# Altium PCB Ultrasound.PcbDoc
Units mil, origin at the board's own origin, x right, y up, seen from the top; angles counter-clockwise.
Board outline 1574.8 x 1574.8 mil, 2 copper layers (Top Layer, Bottom Layer); 59 components, 50 nets, 268 pads, 116 vias.
Unrouted connection lines stored in the file: 29.
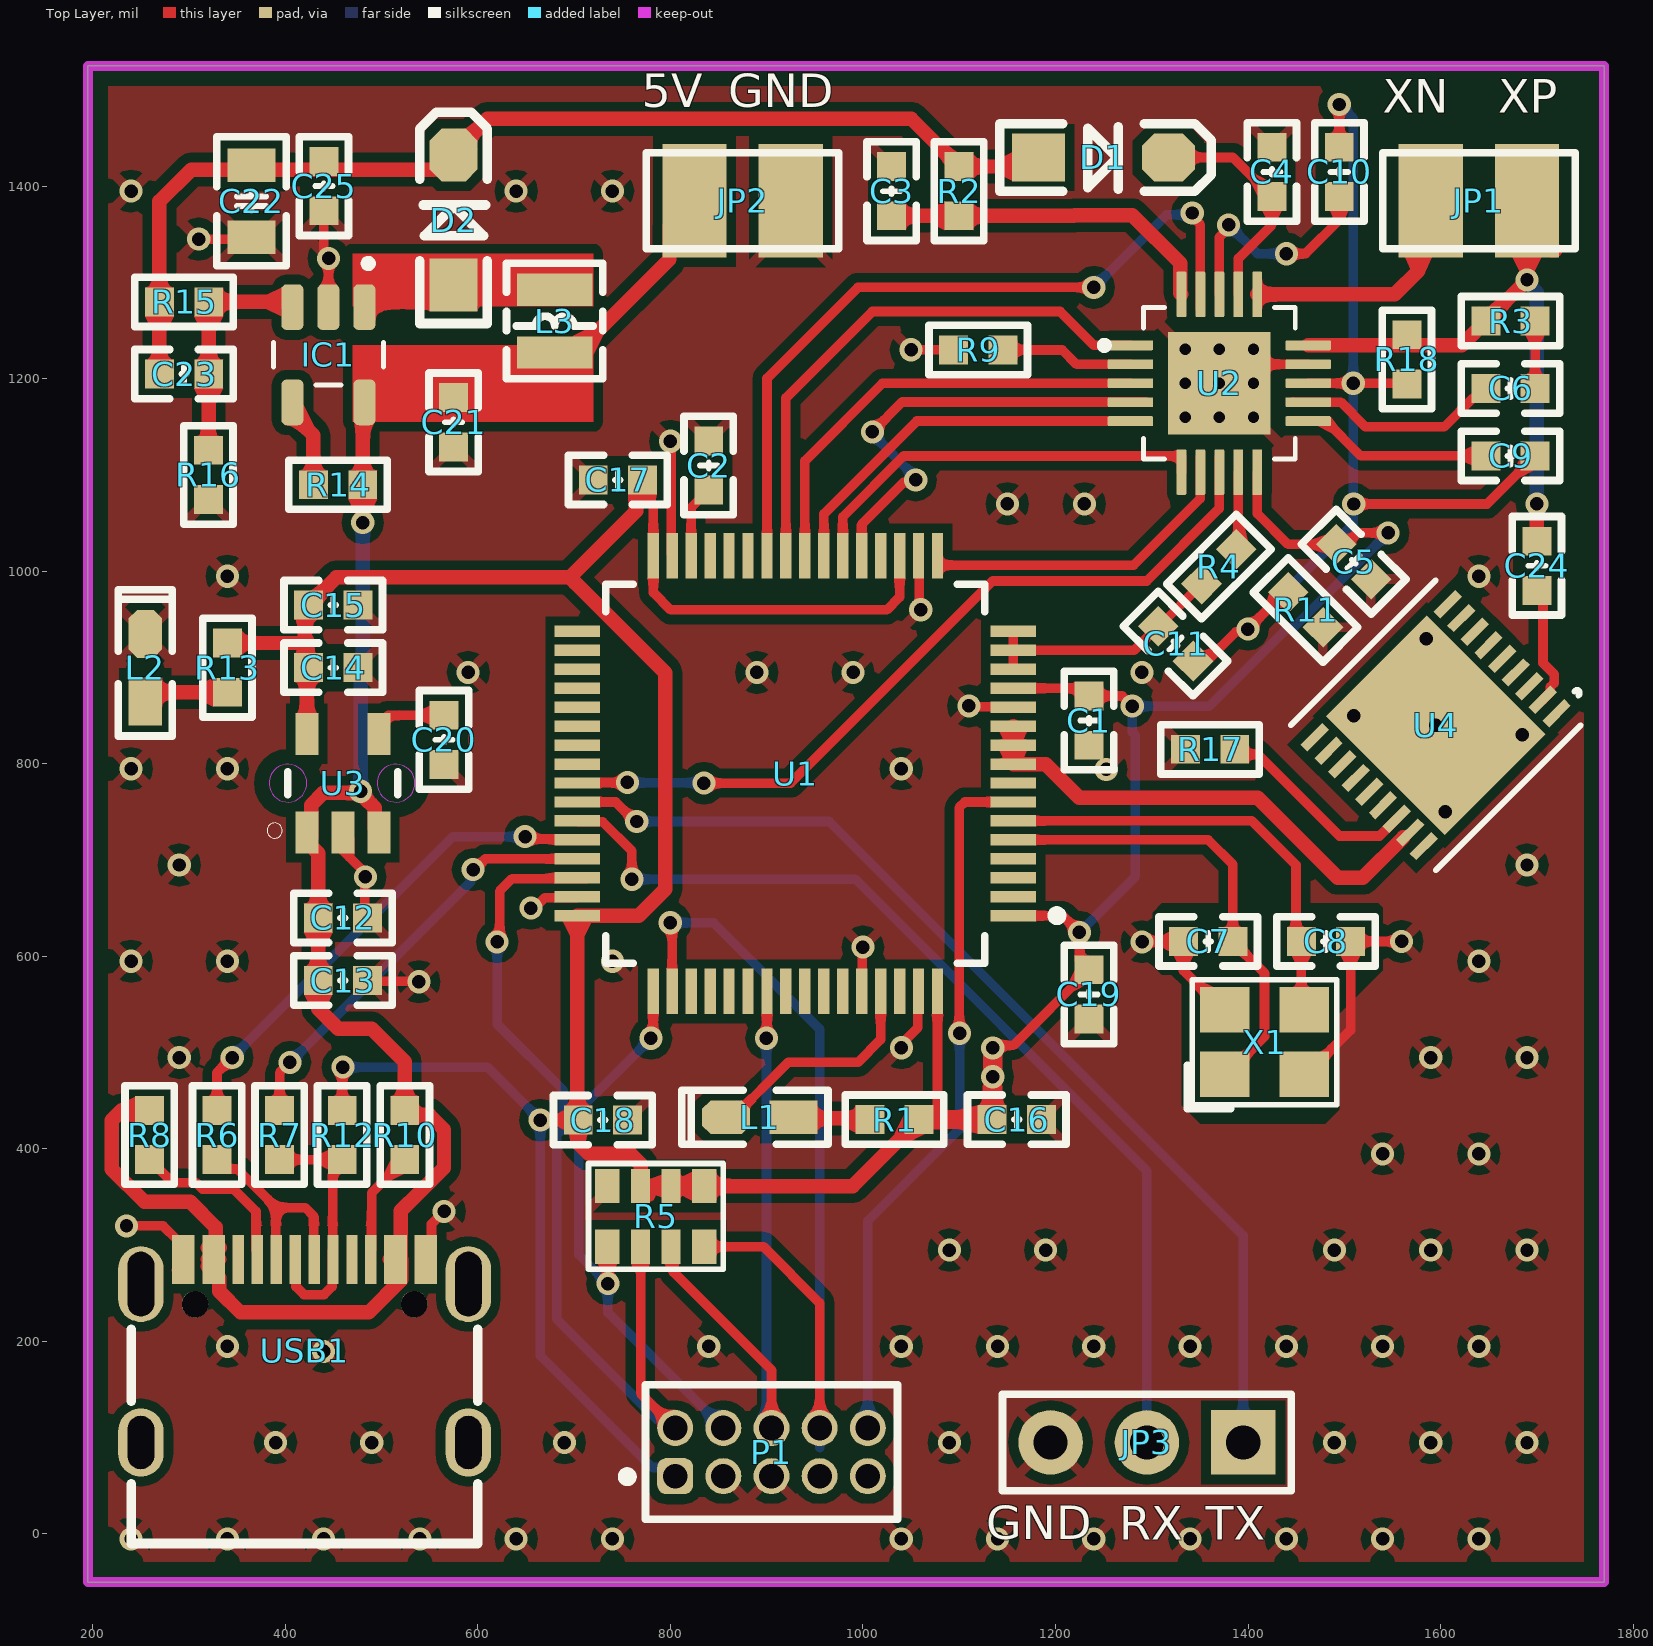
[diagram p0: Top Layer view]
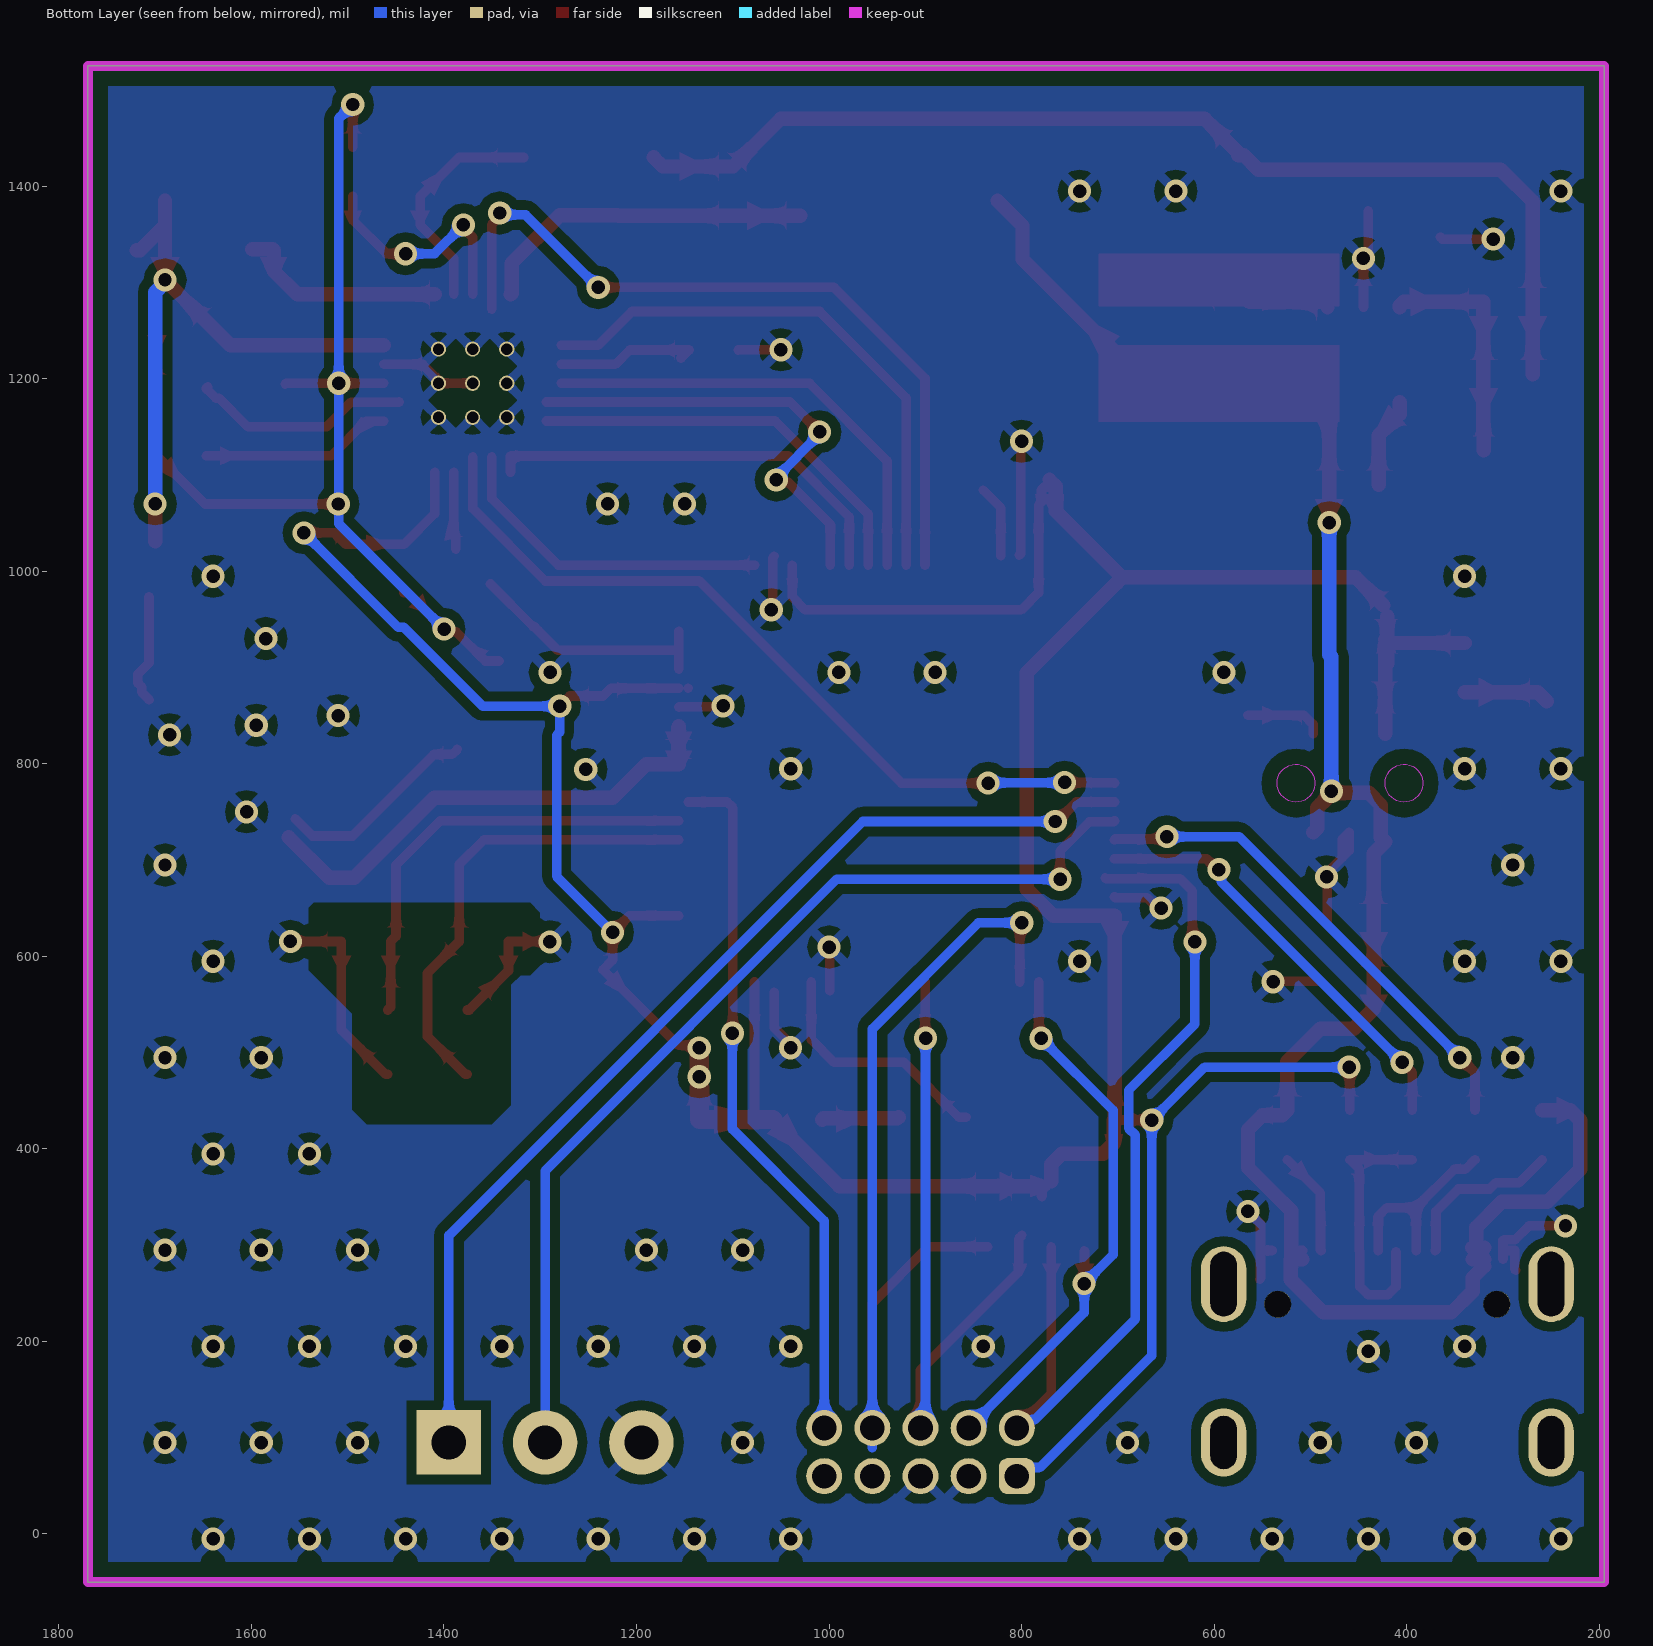
[diagram p1: Bottom Layer view, seen from below]

## Layer stack, top to bottom
Top Solder: solder mask 0.4, Solder Resist, Dk 3.5
Top Layer: signal copper 1.4
Dielectric 1: dielectric 12.6, FR-4, Dk 4.8
Bottom Layer: signal copper 1.4
Bottom Solder: solder mask 0.4, Solder Resist, Dk 3.5

## Board outline
195,-50 195,1524.8 1769.8,1524.8 1769.8,-50

## Design rules (kind name [scope] priority, off if disabled: settings)
Clearance Clearance_1 [InNet('GND') vs OnLayer('Keep-Out Layer')] p1: gap=15.75 ignorepadtopadclearanceinfootprint=FALSE except(0: Arc-Hole Track-Hole SMDPad-Hole THPad-Hole Via-Hole Fill-Hole Poly-Hole Region-Hole Text-Hole)
Clearance [All] p2: gap=6 ignorepadtopadclearanceinfootprint=FALSE except(0: Arc-Hole Track-Hole SMDPad-Hole THPad-Hole Via-Hole Fill-Hole Poly-Hole Region-Hole Text-Hole; 10: Arc-Poly Track-Poly SMDPad-Poly THPad-Poly Via-Poly Fill-Poly Poly-Poly Region-Text)
ComponentClearance [All] p1: gap=6 collisioncheckmode=3 verticalgap=10 showdistances=FALSE
DiffPairsRouting DiffPairsRouting_2 [InDifferentialPair('CAN2')] p1: maxlimit=10 minlimit=8 mostfreqgap=8 toplayer_minwidth=5 toplayer_maxwidth=15 toplayer_prefwidth=5 bottomlayer_minwidth=5 bottomlayer_maxwidth=15 bottomlayer_prefwidth=5 maxuncoupledlength=500
DiffPairsRouting DiffPairsRouting_1 [InDifferentialPair('CAN1')] p2: maxlimit=10 minlimit=8 mostfreqgap=8 toplayer_minwidth=5 toplayer_maxwidth=15 toplayer_prefwidth=5 bottomlayer_minwidth=5 bottomlayer_maxwidth=15 bottomlayer_prefwidth=5 maxuncoupledlength=500
DiffPairsRouting [All] p3: maxlimit=10 minlimit=6 mostfreqgap=6 toplayer_minwidth=8 toplayer_maxwidth=15 toplayer_prefwidth=9 bottomlayer_minwidth=8 bottomlayer_maxwidth=15 bottomlayer_prefwidth=9 maxuncoupledlength=500
MinimumSolderMaskSliver [All] p1 off: minsoldermaskwidth=10
PlaneConnect [All] p1: planeconnectstyle=Direct reliefexpansion=20 reliefentries=4 reliefconductorwidth=10 reliefairgap=10
PolygonConnect [All] p1: connectstyle=Relief reliefconductorwidth=10 reliefentries=4 polygonreliefangle="45 Angle" airgapwidth=10
RoutingVias [All] p1: holewidth=12 width=18 viastyle="Through Hole" minholewidth=12 minwidth=18 maxholewidth=28 maxwidth=50
SilkToSilkClearance [All] p1 off: silktosilkclearance=10
SilkToSolderMaskClearance [IsPad] p1 off: minsilkscreentomaskgap=10 clearancetoexposedcopper=TRUE
SolderMaskExpansion [All] p1: expansion=4 istentingtop=FALSE
SupplyNets "Schematic Supply Nets_5" [InNet('SGND')] p1: voltage=0.000
SupplyNets "Schematic Supply Nets_4" [InNet('3V3')] p2: voltage=0.000
SupplyNets "Schematic Supply Nets_3" [InNet('GND')] p3: voltage=0.000
SupplyNets "Schematic Supply Nets_2" [InNet('5V')] p4: voltage=0.000
SupplyNets "Schematic Supply Nets_1" [InNet('VDRV')] p5: voltage=0.000
SupplyNets "Schematic Supply Nets" [InNet('VPWR')] p6: voltage=0.000
Width [All] p1: maxlimit=100 minlimit=6 preferedwidth=10
24 further rules are at their usual default settings.

## Components (designator, comment, footprint, x,y, rotation, side; value= is the part's Value field where it differs from the comment)
C1 "104" "C 0603_L" 1234.8,844.8 r90 top
C2 "4.7uF" "C 0603_L" 839.8,1109.8 r90 top
C3 "100nF/50V" "C 0603_L" 1029.8,1394.8 r90 top
C4 "2.2uF 50V" "C 0603_L" 1424.8,1414.8 r270 top
C5 "10nF/10V" "C 0603_L" 1509.8,1009.8 r315 top
C6 "330pF/50V" "C 0603_L" 1672.68,1189.8 r180 top
C7 "12pF" "C 0603_L" 1358.63,615.4 r180 top
C8 "12pF" "C 0603_L" 1480.99,615.4 r0 top
C9 "4.7nF" "C 0603_L" 1672.68,1119.8 r180 top
C10 "680pF" "C 0603_L" 1494.8,1414.8 r270 top
C11 "100nF/50V" "C 0603_L" 1324.8,924.8 r315 top
C12 "10uF" "C 0603_L" 459.8,639.8 r180 top
C13 "104" "C 0603_L" 459.8,574.8 r180 top
C14 "10uF" "C 0603_L" 449.8,899.8 r180 top
C15 "104" "C 0603_L" 449.8,964.81 r180 top
C16 "104" "C 0603_L" 1159.8,430.39 r180 top
C17 "104" "C 0603_L" 745.4,1094.81 r0 top
C18 "104" "C 0603_L" 729.8,429.8 r180 top
C19 "102" "C 0603_L" 1234.8,560.4 r90 top
C20 "22nF" "C 0603_L" 564.8,824.8 r90 top
C21 "2.2uF" "C 0603_L" 574.8,1154.8 r90 top
C22 "4.7uF" "C 0805_L" 364.8,1384.25 r270 top
C23 "56pF" "C 0603_L" 294.8,1204.8 r180 top
C24 "10nF" "C 0603_L" 1700,1005.59 r90 top
C25 "104" "C 0603_L" 440,1400 r90 top
D1 "SD103AWS" SOD-123 1249.8,1429.8 r0 top
D2 "MBR0540" SOD-123 574.8,1364.8 r90 top
IC1 "LMR64010XMF/NOPB" SOT95P280X145-5N 444.8,1224.8 r270 top
JP1 "HDR-1X2" HDR2.54-LI-2P 1639.8,1384.8 r180 top
JP2 "HDR-1X2" HDR2.54-LI-2P 875,1384.8 r0 top
JP3 "HDR-1X3" HDR2.54-LI-3P 1295,95 r180 top
L1 "LED" "LED 0603B" 892.81,433.06 r180 top
L2 "LED" "LED 0603B" 254.8,899.8 r90 top
L3 "FTC252012S100MBCA_10uH" NR2520 679.8,1259.8 r90 top
P1 "HDR2X5" 62201021121 905,85 r0 top
R1 "4.7K" "R 0603_L" 1032.8,430.4 r0 top
R2 "10Ω" "R 0603_L" 1099.8,1394.8 r270 top
R3 "200Ω 1/4W" "R 0603_L" 1672.68,1259.8 r0 top
R4 "10Ω" "R 0603_L" 1369.8,1004.8 r225 top
R5 "103" RCA-8P4R-0603 784.8,329.8 r0 top
R6 "22" "R 0603_L" 329.05,414.33 r270 top
R7 "22" "R 0603_L" 394.05,414.33 r270 top
R8 "5.1K" "R 0603_L" 259.05,414.33 r90 top
R9 "0" "R 0603_L" 1119.8,1229.8 r0 top
R10 "5.1K" "R 0603_L" 524.05,414.33 r90 top
R11 "0" "R 0603_L" 1459.8,959.8 r135 top
R12 "1.5K" "R 0603_L" 459.05,414.33 r90 top
R13 "4.7K" "R 0603_L" 339.8,899.8 r90 top
R14 "47K" "R 0603_L" 454.8,1089.8 r180 top
R15 "376K" "R 0603_L" 294.8,1279.8 r0 top
R16 "13.3K" "R 0603_L" 320,1100 r90 top
R17 "NC" "R 0603_L" 1360.59,815 r0 top
R18 "75Ω" "R 0603_L" 1565,1220 r90 top
U1 "STM32F446RBT6" FP-LQFP64-5W-MFG 929.8,789.8 r180 top
U2 "TUSS4470TRTJT" QFN50P400X400X80-21N 1370.24,1195.24 r0 top
U3 "RT9193-33GB" SOT23-5_TEXAS_INSTRUMETNS 459.8,779.8 r90 top
U4 "MD0101K6-G" DFN18_5X5_MCH 1595,840 r225 top
USB1 "KH-TYPE-C-16P" USB-C-SMD_KH-TYPE-C-16P 420,190 r0 top
X1 "25M" "OSC 3225-4P" 1417.17,510.75 r0 top

## Footprints (in the part's own frame and the unit in brackets; to place one, negate y for a bottom-side part, rotate by r counter-clockwise, add the part's x,y. Pads: shape width x height; smd on the part's side, far side on the other; paste and mask are expansions set on the pad)
62201021121 [mm] "Pin Header, pitch 1.27 mm, THT, Vertical, dual row, 10p"
  rrect50% 0.95x0.95 hole 0.65: 1(-2.54,-0.635)
  round 0.95 hole 0.65: 2(-2.54,0.635) 3(-1.27,-0.635) 4(-1.27,0.635) 5(0,-0.635) 6(0,0.635) 7(1.27,-0.635) 8(1.27,0.635) 9(2.54,-0.635) 10(2.54,0.635)
  silkscreen extent -3.93,-1.78 3.32,1.78, body extent -3.17,-1.7 3.18,1.7, height 5.33
"C 0603_L" [mil] "无极性贴片电容"
  rect 30x30 smd: 1(-25.59,0) 2(25.59,0)
  silkscreen extent -51,-26 51,26, body extent -31,-16 31,16, height 32
"C 0805_L" [mil] "无极性贴片电容"
  rect 35x50 smd: 1(-37.4,0) 2(37.4,0)
  silkscreen extent -67,-36 67,36, body extent -39,-24 39,24, height 20
DFN18_5X5_MCH [mil]
  rect 32x10 smd paste+0 mask+0: 1(-97.5,80) 2(-97.5,60) 3(-97.5,40) 4(-97.5,20) 5(-97.5,0) 6(-97.5,-20) 7(-97.5,-40) 8(-97.5,-60) 9(-97.5,-80) 10(97.5,-80) 11(97.5,-60) 12(97.5,-40) 13(97.5,-20) 14(97.5,0) 15(97.5,20) 16(97.5,40) 17(97.5,60) 18(97.5,80)
  rect 148x175 smd paste+0 mask+0: 19(0,0)
  silkscreen extent -131,-106 106,106, body extent -101,-101 101,101, height 39
FP-LQFP64-5W-MFG [mm]
  rect 1.2x0.3 smd paste+0 mask+0: 1(-5.75,3.75) 2(-5.75,3.25) 3(-5.75,2.75) 4(-5.75,2.25) 5(-5.75,1.75) 6(-5.75,1.25) 7(-5.75,0.75) 8(-5.75,0.25) 9(-5.75,-0.25) 10(-5.75,-0.75) 11(-5.75,-1.25) 12(-5.75,-1.75) 13(-5.75,-2.25) 14(-5.75,-2.75) 15(-5.75,-3.25) 16(-5.75,-3.75) 33(5.75,-3.75) 34(5.75,-3.25) 35(5.75,-2.75) 36(5.75,-2.25) 37(5.75,-1.75) 38(5.75,-1.25) 39(5.75,-0.75) 40(5.75,-0.25) 41(5.75,0.25) 42(5.75,0.75) 43(5.75,1.25) 44(5.75,1.75) 45(5.75,2.25) 46(5.75,2.75) 47(5.75,3.25) 48(5.75,3.75)
  rect 0.3x1.2 smd paste+0 mask+0: 17(-3.75,-5.75) 18(-3.25,-5.75) 19(-2.75,-5.75) 20(-2.25,-5.75) 21(-1.75,-5.75) 22(-1.25,-5.75) 23(-0.75,-5.75) 24(-0.25,-5.75) 25(0.25,-5.75) 26(0.75,-5.75) 27(1.25,-5.75) 28(1.75,-5.75) 29(2.25,-5.75) 30(2.75,-5.75) 31(3.25,-5.75) 32(3.75,-5.75) 49(3.75,5.75) 50(3.25,5.75) 51(2.75,5.75) 52(2.25,5.75) 53(1.75,5.75) 54(1.25,5.75) 55(0.75,5.75) 56(0.25,5.75) 57(-0.25,5.75) 58(-0.75,5.75) 59(-1.25,5.75) 60(-1.75,5.75) 61(-2.25,5.75) 62(-2.75,5.75) 63(-3.25,5.75) 64(-3.75,5.75)
  silkscreen extent -7.02,-5 5,5, body extent -6.45,-6.45 6.45,6.45, height 0.25
HDR2.54-LI-2P [mm]
  rect 1.7x3 smd: 1(-1.27,0) 2(1.27,0)
  silkscreen extent -2.54,-1.27 2.54,1.27, body extent -2.54,-1.27 2.54,1.27, height 8.5
HDR2.54-LI-3P [mm] "排针，3脚"
  rect 1.7x1.7 hole 0.9: 1(-2.54,0)
  round 1.7 hole 0.9: 2(0,0) 3(2.54,0)
  silkscreen extent -3.81,-1.27 3.81,1.27, body extent -3.81,-1.27 3.81,1.27, height 8.5
"LED 0603B" [mil] "蓝色0603LED"
  rect 50x35 smd: 1(-35,0.26)
  oct 50x35 smd: 2(35,0.26)
  silkscreen extent -71,-28 81,28, body extent -31,-16 32,16, height 24
NR2520 [mm] "2.5mm*2.0mm*1.0mm(长*宽*高）"
  rect 0.85x2 smd: 1(-0.825,0) 2(0.825,0)
  silkscreen extent -1.52,-1.27 1.52,1.27, body extent -1.25,-1 1.25,1, height 1.1
"OSC 3225-4P" [mm] "3.2*2.5*0.7mm(长宽高)  淘宝ID:小糖豆的小窝窝"
  rect 1.3x1.2 smd: 1(-1.05,-0.85) 2(1.05,-0.85) 3(1.05,0.85) 4(-1.05,0.85)
  silkscreen extent -2.03,-1.75 1.91,1.65, body extent -1.6,-1.25 1.6,1.25, height 0.7
QFN50P400X400X80-21N [mm]
  rrect25% 1.2x0.26 smd: 1(-2.345,1) 2(-2.345,0.5) 3(-2.345,0) 4(-2.345,-0.5) 5(-2.345,-1) 11(2.345,-1) 12(2.345,-0.5) 13(2.345,0) 14(2.345,0.5) 15(2.345,1)
  rrect25% 0.26x1.2 smd: 6(-1,-2.345) 7(-0.5,-2.345) 8(0,-2.345) 9(0.5,-2.345) 10(1,-2.345) 16(1,2.345) 17(0.5,2.345) 18(0,2.345) 19(-0.5,2.345) 20(-1,2.345)
  rect 2.7x2.7 smd paste-2: 21(0,0)
  round 0.4 hole 0.3 mask+0: 22(-0.9,0.9) 23(0,0.9) 24(0.9,0.9) 25(-0.9,0) 26(0,0) 27(0.9,0) 28(-0.9,-0.9) 29(0,-0.9) 30(0.9,-0.9)
  silkscreen extent -3.13,-2 2,2, body extent -2,-2 2,2, height 0.8
"R 0603_L" [mil] "1/10W贴片电阻 https://item.taobao.com/item.htm?ft=t&id=613637044352"
  rect 30x30 smd: 1(-25.59,0) 2(25.59,0)
  silkscreen extent -51,-26 51,26, body extent -31,-16 32,16, height 16
RCA-8P4R-0603 [mm] "3.2mm*1.6mm*0.6mm(长*宽*厚)"
  rect 0.65x0.9 smd: 1(-1.28,-0.8) 4(1.28,-0.8) 5(1.28,0.8) 8(-1.28,0.8)
  rect 0.5x0.9 smd: 2(-0.4,-0.8) 3(0.4,-0.8) 6(0.4,0.8) 7(-0.4,0.8)
  silkscreen extent -1.78,-1.4 1.78,1.4, body extent -1.6,-0.8 1.6,0.8, height 0.6
SOD-123 [mil] "2.7x1.6X1.1mm（长宽高，不包括引脚）"
  rect 55x50 smd: 1(-67.5,0)
  oct 55x50 smd: 2(67.5,0)
  silkscreen extent -108,-35 112,35, body extent -73,-31 73,31, height 48
SOT23-5_TEXAS_INSTRUMETNS [mm]
  rect 1.1x0.6 smd paste-0.05: 1(-1.3,0.95) 2(-1.3,0) 3(-1.3,-0.95) 4(1.3,-0.95) 5(1.3,0.95)
  Keep-Out Layer circle w0: c0,1.45 r0.5
  Keep-Out Layer circle w0: c0,-1.4 r0.5
  silkscreen extent -1.45,-1.45 0.3,2, body extent -1.4,-1.45 1.4,1.45, height 1.3
SOT95P280X145-5N [mm]
  rrect50% 1.21x0.59 smd: 1(-1.255,0.95) 2(-1.255,0) 3(-1.255,-0.95) 4(1.255,-0.95) 5(1.255,0.95)
  silkscreen extent -2.51,-1.45 0.8,1.45, body extent -1.4,-1.45 1.4,1.45, height 1.45
USB-C-SMD_KH-TYPE-C-16P [mm]
  oval 1.2x2 hole 0.7 slot 1.7 at 90 deg: 1(-4.32,1.765) 2(4.32,1.765)
  oval 1.2x1.8 hole 0.7 slot 1.4 at 90 deg: 3(-4.32,-2.415) 4(4.32,-2.415)
  rect 0.3x1.3 smd: A1(-3.35,2.415) A4(-2.55,2.415) A5(-1.25,2.415) A6(-0.25,2.415) A7(0.25,2.415) A8(1.25,2.415) A9(2.55,2.415) A12(3.35,2.415) B1(3.05,2.415) B4(2.25,2.415) B5(1.75,2.415) B6(0.75,2.415) B7(-0.75,2.415) B8(-1.75,2.415) B9(-2.25,2.415) B12(-3.05,2.415)
  round 0.7 hole 0.7 unplated: ""(-2.89,1.235) ""(2.89,1.235)
  silkscreen extent -4.57,-5.08 4.57,0.57, body extent -4.4,-4.87 4.54,1.93, height 3.36

## Part data
C1 C2 C7 C8 C16 C17 C18 C19: library part C
C3 C4 C5 C6 C9 C10 C11 C12 C13 C14 C15 C20 C21 C22 C23 C24 C25: library part C, "贴片电容", BOM名称=贴片电容, 下单链接=https://item.taobao.com/item.htm?ft=t&id=613637044352, 淘宝ID=小糖豆的小窝窝
D1: library part Diode, "二极管", BOM名称=二极管, 下单链接=https://item.taobao.com/item.htm?ft=t&id=613637044352, 淘宝ID=小糖豆的小窝窝
D2: library part SS14, "肖特基二极管", BOM名称=肖特基二极管, 下单链接=https://item.taobao.com/item.htm?ft=t&id=613637044352, 淘宝ID=小糖豆的小窝窝
IC1: "SIMPLE SWITCHER&reg; 2.7V to 14V, 1A Step-Up Regulator in SOT-23 Package 5-SOT-23 -40 to 125", Package="SOT-23-5 Texas Instruments", Check_prices=https://www.snapeda.com/parts/LMR64010XMF/NOPB/Texas%20Instruments/view-part/381562/?ref=eda, Digi-Key_Part_Number=296-38770-1-ND, MF="Texas Instruments", MP=LMR64010XMF/NOPB, Purchase-URL=https://pricing.snapeda.com/search/part/LMR64010XMF/NOPB/?ref=eda, SnapEDA_Link=https://www.snapeda.com/parts/LMR64010XMF/NOPB/Texas%20Instruments/view-part/381562/?ref=snap
JP1 JP2: library part "Header 2", "2P接插件", BOM名称=2P接插件, 下单链接=https://item.taobao.com/item.htm?ft=t&id=613637044352, 淘宝ID=小糖豆的小窝窝
JP3: library part "Header 3", "3P接插件", BOM名称=3P接插件, 下单链接=https://item.taobao.com/item.htm?ft=t&id=613637044352, 淘宝ID=小糖豆的小窝窝
L1 L2: "发光二极管", BOM名称=发光二极管, 下单链接=https://item.taobao.com/item.htm?ft=t&id=613637044352, 淘宝ID=小糖豆的小窝窝
L3: library part L, "小功率贴片电感", BOM名称=小功率贴片电感, 下单链接=https://item.taobao.com/item.htm?ft=t&id=613637044352
P1: library part CMP-1502-00948-3, Color=Black, Contact Resistance=20mΩ, Current Rating=1A, Max Operating Temperature=105°C, Min Operating Temperature=-40°C, Operating Supply Voltage=100V, Connector Type="Male Pin", Contact Material=Copper, Contact Mating Length=3.81mm, Contact Plating=Gold, Gender=Male, Height=5.65mm, Lead Pitch=1.27mm, Mount="Through Hole", NexarPartId=32855586, Number of Contacts=10, Number of Pins=10, Number of Positions=10, Number of Rows=2, Orientation=Vertical, Packaging=Box, Pitch=1.27mm, REACH SVHC=Unknown, RoHS=Compliant, Row Spacing=1.27mm, Termination=Solder, Voltage Rating=100V
R1 R6 R7 R8 R10 R12 R13 R14 R15 R16 R17: library part R
R2 R3 R4 R9 R11 R18: library part R, "贴片电阻", BOM名称=贴片电阻, 下单链接=https://item.taobao.com/item.htm?ft=t&id=613637044352, 淘宝ID=小糖豆的小窝窝
R5: library part R-8P4R, "贴片排阻", BOM名称=贴片排阻, 下单链接=https://item.taobao.com/item.htm?ft=t&id=613637044352, 淘宝ID=小糖豆的小窝窝
U1: library part CMP-12105-000029-1, "IC MCU 32BIT 128KB FLASH 64LQFP", Ambient Temperature Range High=+85°C, Ambient Temperature Range Low=-40°C, Frequency=100MHz, Manufacturer=STMicroelectronics, Manufacturer Part Number=STM32F410RBT6, Max Junction Temp=+105°C, Max Supply Voltage=3.6V, Min Supply Voltage=1.8V, Nominal Supply Current=0.8-27.1mA, Package=LQFP64-5W, Temperature="-40°C to +85°C", Automotive=No, Category=IC, ComponentLink2Description=Datasheet, ComponentLink2URL=https://www.st.com/resource/en/datasheet/stm32f410rb.pdf, Core Architecture="ARM Cortex-M4", Data Bus Width=32bits, Device Class L1="Integrated Circuits (ICs)", Device Class L2="Embedded Processors and Controllers", Device Class L3=Microcontrollers, Digikey Description="IC MCU 32BIT 128KB FLASH 64LQFP", Height=1.6mm, Interface=I2C,SPI,USART,I2S, Ipc Land Pattern Name=QFP50P1200X1200X160-64, Lead Free=Yes, Memory Size=128KBytes, Memory Type=FLASH, Mouser Description="ARM-Based 32-Bit MCU+FPU, 125 DMIPS, 128kB Flash, 32kB RAM, 64-pin LQFP, Tray", Number Of A/D Converters=1, Number Of Adc Channels=16, Number Of Cores=1, Number Of I2C Channels=3, Number Of I/Os=50, Number Of Pwm Channels=1, Number Of Spi Channels=3, Number Of Timers/Counters=7, Number Of Uart Channels=3, Octopart=https://octopart.com/stm32f410rbt6-stmicroelectronics-67124560, Ram Size=32KBytes, RoHS=TRUE, Standoff Height=0.05mm, Temperature Range High=+85°C, Temperature Range Low=-40°C
U2: "ULTRASONIC SENSOR I/F FOR PARK A", Package=None, Availability=Unavailable, MP=TUSS4470TRTJT, Price=None
U3: "Linear Voltage Regulator IC Positive Fixed 1 Output  300mA SOT-23-5", Package="SOT-23-5 Richtek", Check_prices=https://www.snapeda.com/parts/RT919333GB/Richtek/view-part/?ref=eda, MF="Richtek Technology Corp", MP=RT919333GB, SnapEDA_Link=https://www.snapeda.com/parts/RT919333GB/Richtek/view-part/?ref=snap
U4: "No Description Available", Mfr_Name=Microchip, RefDes=RefDes, Type=Type
USB1: BOM_JLCPCB Part Class="Extended Part", BOM_Manufacturer="Shenzhen Kinghelm Elec", BOM_Manufacturer Part=KH-TYPE-C-16P, BOM_Supplier=LCSC, BOM_Supplier Part=C709357, Contributor=LCSC, spicePre=U, spiceSymbolName=KH-TYPE-C-16P
X1: library part XTAL-4P, "4脚无源晶振", BOM名称=4脚无源晶振, 下单链接=https://item.taobao.com/item.htm?ft=t&id=613637044352, 淘宝ID=小糖豆的小窝窝

## Via types
v1: diameter 24, hole 14, Top Layer to Bottom Layer, 116 vias

## Nets (pads, with @x,y where several pads share a name; then routed paths per layer and width w, separated by ;. In a path a pad name is that pad's centre, name@x,y a point inside that pad or via, vN(x,y) a via of type N, cw(c..) or ccw(c..) an arc to the next point about the centre after c; other vN are vias at no path point)
3V3: C1.2 C5.1 C14.2 C15.2 C16.2 C17.2 C18.2 C19.2 P1.1 R1.2 R5.5 R5.6 R5.7 R12.2 R13.2 U1.1 U1.13 U1.19 U1.32 U1.48 U1.64 U2.10 U3.5 | length 4428.5
  Top Layer w10: R12.2 459.06,484.06 v1(459.8,484.8) ; v1(664.8,429.8) C18.2 ; R5.7@769.21,366.14 774.06,361.3 779.06,361.3 779.06,350.39 ; C17.2 763.76,1087.57 776.59,1087.57 779.36,1084.8 779.36,1071.97 782.17,1069.16 782.17,1006.33 782.25,1006.25 782.25,977.83 800.28,959.8 1024.8,959.8 1038.07,973.07 U1.19@1038.07,1006.33 ; U1.64@1077.44,573.29 1077.44,436.93 1083.98,430.39 ; v1(1134.8,504.8) 1137.48,507.48 1156.3,507.48 C19.2 1224.8,595.98 v1(1224.8,624.8) 1207.44,642.17 U1.1 ; U1.13@1146.25,878.32 U1.13@1146.33,878.4 ; U1.13 1226.81,878.39 C1.2 1269.22,870.39 v1(1279.8,859.8) ; U2.10 1409.61,1060 1441.71,1027.9 C5.1 1501.87,1027.9 1513.77,1039.8 v1(1545.6,1039.8)
  Top Layer w15: R13.2 418.84,925.39 420.28,926.82 ; C14.2@420.28,903.95 420.28,926.82 ; C15.2@420.28,952.99 420.28,926.82 ; U3.5 422.4,924.81 ; 422.4,928.95 420.28,926.82 ; C15.2 452.93,993.52 695.49,993.52 ; C18.2@703.43,430.6 U1.48 767.17,642.17 794.8,669.8 794.8,894.68 701.33,988.16 700.85,988.16 695.49,993.52 ; C18.2 704.22,405.63 715.04,394.8 758.31,394.8 769.21,383.9 R5.7@769.21,366.14 ; C17.2 764.48,1088.3 764.48,1062.52 695.49,993.52 ; 779.06,361.3 R5.6 R5.5 989.3,361.3 R1.2
  Top Layer w20: R1.2 1083.98,430.39 C16.2@1129.8,430.39 ; C16.2 1134.51,430.69 1134.51,475.1 1134.8,475.39 v1(1134.8,504.8)
  Bottom Layer w10: v1(459.8,484.8) 609.8,484.8 v1(664.8,429.8) 664.8,185.2 780.93,69.07 795.93,69.07 P1.1 ; v1(1224.8,624.8) 1283,683 1283,829.61 1279.8,832.8 v1(1279.8,859.8) 1359.81,859.8 1441.71,941.71 1447.51,941.71 v1(1545.6,1039.8)
  other v1: 1134.8,474.8
5V: C12.2 C13.2 C21.2 IC1.5 JP2.1 L3.1 R8.2 R10.2 R14.1 U3.1 U3.3 USB1.A4 USB1.A9 USB1.B4 USB1.B9 | length 2141.6
  Top Layer w10: USB1.B4@508.22,294.41 USB1.A9@520.04,294.41
  Top Layer w15: R8.2 229.92,439.92 219.8,429.8 219.8,378.9 253.7,345 301.08,345 327.49,318.59 327.49,292.96 USB1.A4 USB1.B9 ; USB1.A4@319.32,297.18 325.51,290.99 USB1.B9@331.69,297.17 ; USB1.A4@319.61,278.09 331.42,266.28 331.42,252 353.42,230 411.71,230 447.96,229.99 486.58,230 520.4,263.82 USB1.A9 USB1.A9@520.04,285.07 ; v1(480.4,1050.4) R14.1 480.4,1182.89 572.3,1182.89 C21.2 612.31,1180.39 647.93,1216.02 647.93,1218.09 657.17,1227.32 L3.1 702.44,1227.32 799.04,1323.92 799.04,1358.84 JP2.1 ; U3.3 492.89,732.93 492.89,754.28 477.47,769.71 439.55,769.71 426.71,756.87 426.71,723.09 422.4,718.78 434.22,706.97 C12.2 C13.2 434.22,545.39 454.8,524.8 489.8,524.8 524.06,490.55 R10.2 529.17,434.8 549.8,434.8 564.8,419.8 564.8,380.39 538.51,354.09 520.04,335.63 520.04,294.41 USB1.A9@520.04,285.07 ; USB1.B4 USB1.A9@520.04,285.07 ; USB1.A9@520.04,277.91 USB1.A9@520.04,285.07
  Bottom Layer w15: v1(478.18,771.43) 478.18,910.93 480.4,913.15 v1(480.4,1050.4)
ADC: C11.1 R4.2 U1.14 U1.15 U1.16 | length 263.1
  Top Layer w10: U1.14 U1.15 ; U1.16 U1.15 ; C11.1 1301.85,938.05 1281.56,917.76 U1.15 ; C11.1@1307.3,942.3 R4.2
ADC2: U1.9 U1.10 U1.11 U4.17 | length 510.5
  Top Layer w15: U1.11 U1.10 U1.9 1189.96,799.65 1224.8,764.8 1410.2,764.8 1493.38,681.62 1519.35,681.62 U4.17@1561.14,723.41
CC1: R8.1 USB1.A5 | length 173.7
  Top Layer w10: R8.1 283.2,364.59 307.64,364.59 313.94,358.3 346.31,358.3 369.53,335.08 369.53,295.32 USB1.A5@370.43,294.42
CC2: R10.1 USB1.B5 | length 109
  Top Layer w10: USB1.B5@488.54,294.42 489.45,295.32 489.45,334.45 489.8,334.8 489.8,354.48 R10.1
GND: C1.1 C2.2 C3.2 C4.1 C5.2 C7.2 C8.2 C12.1 C13.1 C14.1 C15.1 C16.1 C17.1 C18.1 C19.1 C20.1 C21.1 C22.2 C25.1 IC1.2 JP2.2 JP3.3 L2.2 P1.3 P1.5 R5.8 R9.1 R11.1 R16.1 R17.1 U1.12 U1.18 U1.31 U1.47 U1.60 U1.63 U2.14 U2.21 U2.22 U2.23 U2.24 U2.25 U2.26 U2.27 U2.28 U2.29 U2.30 U3.2 U4.19 USB1.A1 USB1.A12 USB1.B1 USB1.B12 X1.2 X1.4 | length 1429.9
  Top Layer w10: v1(235,320) 272.88,320 287.2,305.67 299.01,305.67 299.92,304.77 USB1.B12 ; USB1.A1@286.85,273.83 287.75,274.73 287.75,294.42 USB1.B12@299.56,294.42 ; v1(310,1345) 362.95,1345 C22.2 ; C25.1 440,1333.79 445,1328.79 v1(445,1325) 444.8,1324.8 IC1.2 ; 466.61,702.79 466.61,721.81 U3.2 459.8,709.6 483.16,686.24 v1(483.16,682.45) ; C12.1@482.51,636.92 v1@482.51,681.8 ; C13.1@493.12,574.16 v1@538,574.16 ; USB1.B1@539.72,294.42 551.53,294.42 USB1.A12@551.53,284.49 ; USB1.A12@552.79,264.49 551.89,265.4 USB1.A12 551.89,321.89 v1(565,335) ; v1(655,650) 658.79,650 669.73,660.94 702.52,660.94 U1.47 ; v1(800,1135) 800.94,1134.06 800.94,1018.39 U1.31@802.5,1016.83 ; U1.60@999.35,564.07 v1@999.35,608.96 ; v1(1040,505) 1040,508.79 1056.85,525.64 1056.85,562.52 U1.63@1057.11,562.78 ; v1(1050,1230) 1094.01,1230 R9.1 ; U1.18@1057.11,1015.53 1058.66,1013.98 1058.66,961.34 v1(1060,960) ; v1(1110,860) 1110.65,859.35 1155.53,859.35 U1.12 ; v1@1290.4,615.4 C7.2 1333.04,585.04 1373.86,544.21 X1.4 ; U2.21 1402.58,1195.24 1422.27,1214.92 U2.14 ; X1.2 1460.48,477.28 1506.57,523.38 C8.2 v1(1559.61,615.39) v1@1560,615
  other v1: 239.8,-5.2 339.8,-5.2 439.8,-5.2 539.8,-5.2 639.8,-5.2 739.8,-5.2 1039.8,-5.2 1139.8,-5.2 1239.8,-5.2 1339.8,-5.2 1439.8,-5.2 1539.8,-5.2 1639.8,-5.2 389.8,94.8 489.8,94.8 689.8,94.8 1089.8,94.8 1489.8,94.8 1589.8,94.8 1689.8,94.8 439.8,189.5 339.8,194.8 839.8,194.8 1039.8,194.8 1139.8,194.8 1239.8,194.8 1339.8,194.8 1439.8,194.8 1539.8,194.8 1639.8,194.8 1089.8,294.8 1189.8,294.8 1489.8,294.8 1589.8,294.8 1689.8,294.8 1539.8,394.8 1639.8,394.8 289.8,494.8 1589.8,494.8 1689.8,494.8 538.65,573.51 239.8,594.8 339.8,594.8 739.8,594.8 1639.8,594.8 1000,609.61 1290,615 289.8,694.8 1689.8,694.8 1605,750 1252.74,794.21 239.8,794.8 339.8,794.8 1039.8,794.8 1685,830 1595,840 1510,850 589.8,894.8 889.8,894.8 989.8,894.8 1289.8,894.8 1585,930 339.8,994.8 1639.8,994.8 1150,1070 1230,1070 239.8,1394.8 639.8,1394.8 739.8,1394.8
IO1: U1.17 U2.7 | length 345
  Top Layer w10: U1.17@1077.44,1006.33 1281.33,1006.33 1350.37,1075.37 U2.7@1350.37,1118.83
IO2: U1.41 U2.8 | length 839.3
  Top Layer w10: U1.41 703.8,780.34 754.9,780.34 v1(755.27,780.71) ; v1(834.8,779.8) 924.8,779.8 1134.8,989.8 1294.8,989.8 1369.94,1064.94 1369.94,1118.72 U2.8@1370.05,1118.83
  Bottom Layer w10: v1(755.27,780.71) 755.73,780.26 834.35,780.26 v1(834.8,779.8)
IO3: U1.25 U2.1 | length 583.4
  Top Layer w10: U1.25@919.96,1006.33 919.96,1179.96 1009.8,1269.8 1204.8,1269.8 1240,1234.61 U2.1
IO4: U1.26 U2.19 | length 810.5
  Top Layer w10: U1.26@900.28,1006.33 900.28,1200.28 994.8,1294.8 v1(1239.8,1294.8) ; v1(1342.1,1372.1) 1342.1,1368.31 1350.43,1359.98 1350.43,1272.05 U2.19@1350.37,1271.98
  Bottom Layer w10: v1(1239.8,1294.8) 1315.1,1370.1 1340.1,1370.1 v1(1342.1,1372.1)
LED1: L1.2 U1.61 | length 253.9
  Top Layer w10: L1.2 865.3,432.8 922.3,489.8 994.8,489.8 1018.39,513.39 U1.61@1018.39,573.29
MISO: U1.22 U2.6 | length 444.9
  Top Layer w10: U1.22@979.02,1006.33 979.02,1056.39 1042.34,1119.71 1330.75,1119.71 1330.87,1119.59 U2.6
MOSI: U1.23 U2.5 | length 427.2
  Top Layer w10: U1.23@959.33,1006.33 959.41,1006.41 959.41,1059.41 1056.04,1156.04 U2.5@1293.48,1156.04
NCS: U1.24 U2.3 | length 480
  Top Layer w10: U1.24@939.65,1006.33 939.65,1114.65 1020.24,1195.24 U2.3
NetC2_1: C2.1 U1.30 | length 75.6
  Top Layer w10: U1.30 821.54,1065.94 C2.1
NetC3_1: C3.1 R2.2 U2.20 | length 353.6
  Top Layer w15: C3.1 1219.21,1369.21 1219.8,1369.8 1279.8,1369.8 1329.8,1319.8 1329.8,1288.62 U2.20
NetC6_1: C6.1 R3.2 | length 70
  Top Layer w10: C6.1 R3.2
NetC6_2: C6.2 U2.12 | length 231
  Top Layer w10: U2.12@1446.63,1175.72 1446.75,1175.61 U2.12@1462.56,1175.61 ; U2.12 1496.53,1175.55 1522.08,1150 1603.86,1150 1633.67,1179.81 1637.09,1179.81 1645.38,1188.1 1645.38,1191.52 C6.2
NetC9_2: C9.2 U2.11 | length 199.5
  Top Layer w10: U2.11 1481.06,1155.87 1517.12,1119.81 C9.2
NetC10_2: C10.2 U2.18 | length 242.5
  Top Layer w10: U2.18 1370.24,1346.95 1379.8,1356.51 v1(1379.8,1359.8) ; v1(1439.8,1329.8) 1459.8,1329.8 1494.8,1364.8 C10.2
  Bottom Layer w10: v1(1379.8,1359.8) 1409.8,1329.8 v1(1439.8,1329.8)
NetC20_2: C20.2 U3.4 | length 81.4
  Top Layer w10: U3.4 497.2,840.83 506.77,850.39 C20.2
NetC23_1: C23.1 IC1.3 R15.2 R16.2 | length 244.6
  Top Layer w15: R16.2 320,1152.05 320.4,1152.44 C23.1 R15.2 403.29,1279.8 407.4,1275.69 IC1.3
NetC24_1: C24.1 U4.2 | length 116.5
  Top Layer w10: U4.2 1714.15,874.29 1714.15,879.95 1718.08,883.88 1718.08,892.99 1706.37,904.7 C24.1@1706.37,973.34
NetD2_1: D2.1 IC1.1 L3.2 | length 211
  Top Layer w15: IC1.1 482.2,1280.69 IC1.1@486.32,1284.8 ; D2.1@562.3,1284.8 D2.1
  Top Layer w25: IC1.1@486.32,1284.8 D2.1@562.3,1284.8 ; D2.1@574.8,1292.28 L3.2
NetIC1_4: IC1.4 R14.2 | length 94.6
  Top Layer w15: IC1.4 407.4,1163.19 429.22,1141.37 R14.2
NetL1_1: L1.1 R1.1 | length 80.4
  Top Layer w15: L1.1 929.01,431.6 1006,431.6 R1.1
NetL2_1: L2.1 R13.1 | length 89.2
  Top Layer w15: L2.1 263.95,874.21 R13.1
NetR9_2: R9.2 U2.2 | length 150.6
  Top Layer w10: R9.2@1153.82,1221.37 R9.2 1207.03,1229.8 1221.91,1214.92 U2.2
NetR17_2: R17.2 U4.16 | length 212.8
  Top Layer w10: R17.2 1391.5,809.68 1410.32,809.68 1495,725 1536.57,725 U4.16
NRST: P1.10 U1.7 | length 742.9
  Top Layer w10: v1(1100.44,520) 1100,520.44 1100,754.35 1105.86,760.21 1146.25,760.21 U1.7@1146.33,760.29
  Bottom Layer w10: P1.10@1005,100 P1.10 1005,325 1100.44,420.44 v1(1100.44,520)
OSC_N: C8.1 U1.6 X1.3 | length 466.8
  Top Layer w10: U1.6 1404.02,740.59 1449.8,694.8 1449.8,620.98 C8.1 1455.39,547.33 X1.3
OSC_P: C7.1 U1.5 X1.1 | length 488.6
  Top Layer w10: U1.5 1358.7,720.91 1384.22,695.39 C7.1 1417.17,582.45 1417.17,516.65 1377.8,477.28 X1.1
PA9/TX: JP3.1 U1.42 | length 1093.1
  Top Layer w10: U1.42 743.18,760.28 763.46,740 v1(765,740)
  Bottom Layer w10: v1(765,740) 965,740 1395,310 JP3.1
PA10/RX: JP3.2 U1.43 | length 1041.5
  Top Layer w10: U1.43 704.33,739.68 729.73,739.68 760,709.41 v1(760,680)
  Bottom Layer w10: v1(760,680) 992.13,680 1295,377.13 JP3.2
PA11/DM: R6.1 U1.44 | length 516.4
  Top Layer w10: R6.1 329.05,479.05 v1(344.8,494.8) ; v1(649.07,724.22) 651.48,721.81 702.52,721.81 U1.44
  Bottom Layer w10: v1(344.8,494.8) 574.22,724.22 v1(649.07,724.22)
PA12/DP: R7.1 U1.45 | length 446.4
  Top Layer w10: R7.1 394.05,479.05 v1(404.8,489.8) ; v1(595,690) 596.64,690 607.86,701.22 U1.45
  Bottom Layer w10: v1(404.8,489.8) 592.32,677.32 592.32,687.32 v1(595,690)
PA13/TMS: P1.2 R5.2 U1.46 | length 946.6
  Top Layer w10: v1(620,615) 622.68,617.68 622.68,667.68 635.63,680.63 712.37,680.63 U1.46@713.29,681.55 ; R5.2 769.06,145.95 P1.2
  Bottom Layer w10: v1(620,615) 620,529.61 688.8,460.8 688.8,421.28 681.8,414.28 681.8,223.2 786.17,118.83 788.76,118.83 797.59,110 P1.2
PA14/TCK: P1.4 R5.1 U1.49 | length 591.7
  Top Layer w10: v1(735,260) 734.7,260.3 734.7,293.6 R5.1@735,293.9 ; v1(779.8,514.8) 782.09,517.09 782.09,573.21 U1.49@782.17,573.29
  Bottom Layer w10: v1(779.8,514.8) 704.8,439.8 704.8,290.2 v1(735,260) 735,230 P1.4
PA15/TDI: P1.8 R5.4 U1.50 | length 972.1
  Top Layer w10: v1(799.8,634.8) 801.77,632.83 801.77,573.37 U1.50@801.85,573.29 ; R5.4 896.69,298.31 955,240 P1.8
  Bottom Layer w10: v1(799.8,634.8) 844.8,634.8 955,524.61 955,89.7
PB3/TDO: P1.6 R5.3 U1.55 | length 709.3
  Top Layer w10: R5.3@799.72,310.04 803.01,306.76 803.01,271.99 905,170 P1.6 ; v1(899.8,514.8) 900.2,515.2 900.2,573.21 U1.55@900.28,573.29
  Bottom Layer w10: v1(899.8,514.8) 899.8,115.2 P1.6
SCLK: U1.21 U2.4 | length 482.7
  Top Layer w10: U1.21@998.7,1006.33 998.7,1048.7 1042.12,1092.12 1052.12,1092.12 v1(1054.8,1094.8) ; v1(1009.8,1144.8) 1040.72,1175.72 U2.4@1293.48,1175.72
  Bottom Layer w10: v1(1009.8,1144.8) 1009.8,1142.3 1054.8,1097.3 v1(1054.8,1094.8)
SGND: C9.1 C10.1 C11.2 R11.2 R18.1 U2.13 | length 1087.4
  Top Layer w10: C11.2 1357.04,906.71 1387.45,937.12 1397.12,937.12 v1(1399.8,939.8) 1437.9,977.9 R11.2 ; U2.13 v1(1509.37,1195.24) 1564.17,1195.24 R18.1 ; C10.1 v1(1494.8,1484.8) ; v1(1509.8,1069.8) 1648.27,1069.8 C9.1
  Bottom Layer w10: v1(1399.8,939.8) 1509.37,1049.37 v1(1509.37,1195.24) 1509.37,1470.24 v1@1490.35,1489.26
USB_DM: R6.2 USB1.A7 USB1.B7 | length 204.9
  Top Layer w10: R6.2 339.03,378.77 350.29,378.77 390.11,338.95 ; USB1.B7@390.11,294.42 390.11,338.95 ; USB1.A7@429.48,294.42 429.48,330.13 420.66,338.95 390.11,338.95
USB_DP: R7.2 R12.1 USB1.A6 USB1.B6 | length 282.1
  Top Layer w10: R7.2 459.05,388.74 449.17,378.85 449.17,294.42 448.62,293.87 448.62,256.81 440.3,248.49 419.38,248.49 411.06,256.8 USB1.A6@411.06,293.15
VDRV: C4.2 D1.2 U2.17 | length 240.4
  Top Layer w10: D1.2 1384.21,1429.8 C4.2 1424.8,1359.8 1389.92,1324.92 U2.17
VOUT: R4.1 U2.9 | length 80.8
  Top Layer w10: R4.1 1387.9,1037.05 1389.92,1039.07 U2.9
VPWR: C22.1 C23.2 C25.2 D1.1 D2.2 R2.1 R15.1 | length 1153.8
  Top Layer w15: C23.2 R15.1 269.21,1384.21 302.21,1417.21 554.1,1417.21 569.2,1432.3 D2.2 574.8,1434.8 609.8,1469.8 1050.39,1469.8 R2.1 1172.9,1420.4 D1.1
X_N: JP1.2 U2.16 | length 221.5
  Top Layer w15: U2.16 1552.56,1287.56 1577.03,1312.03 1577.03,1333.25 1578.1,1334.31 JP1.2@1599.31,1334.31
X_P: C24.2 JP1.1 R3.1 R18.2 U2.15 | length 652.6
  Top Layer w15: U2.15 1575,1234.61 1621.89,1234.61 R3.1 v1(1689.8,1302.52) JP1.1@1689.8,1358.3 ; JP1.1 1689.8,1359.21 1715.77,1333.25 JP1.1@1719.34,1333.25 ; C24.2 v1(1700,1070)
  Bottom Layer w15: v1(1689.8,1302.52) 1689.8,1300.08 1700,1289.89 v1(1700,1070)
pads on no net: P1.7 P1.9 U1.2 U1.3 U1.4 U1.8 U1.20 U1.27 U1.28 U1.29 U1.33 U1.34 U1.35 U1.36 U1.37 U1.38 U1.39 U1.40 U1.51 U1.52 U1.53 U1.54 U1.56 U1.57 U1.58 U1.59 U1.62 U4.1 U4.3 U4.4 U4.5 U4.6 U4.7 U4.8 U4.9 U4.10 U4.11 U4.12 U4.13 U4.14 U4.15 U4.18 USB1. USB1.1 USB1.2 USB1.3 USB1.4 USB1.A8 USB1.B8

## Polygon pours and split planes (outlines as drawn)
GND on Bottom Layer "GND_L02_P000" (solid, remove dead copper, pour order 0): 195,1524.8 1769.8,1524.8 1769.8,-50 195,-50
GND on Top Layer "GND_L01_P001" (solid, remove dead copper, pour order 1): 195,1524.8 1769.8,1524.8 1769.8,-50 195,-50

## Keep-outs
Keep-Out Layer:
  the board outline again, w10

## Other copper
Top Layer:
  rectangle net 5V: 470,1155 720,1235
  rectangle net NetD2_1: 470,1275 720,1330
  pour cut-out: 1540.39,650.39 1540.39,585.39 1495.39,540.39 1495.39,440.39 1480.39,425.39 1350.39,425.39 1330.39,445.39 1330.39,570.39 1320.39,580.39 1310.39,580.39 1300.39,590.39 1300.39,645.39 1310.39,655.39 1535.39,655.39
Bottom Layer:
  pour cut-out: 1540.39,650.39 1540.39,585.39 1495.39,540.39 1495.39,440.39 1480.39,425.39 1350.39,425.39 1330.39,445.39 1330.39,570.39 1320.39,580.39 1310.39,580.39 1300.39,590.39 1300.39,645.39 1310.39,655.39 1535.39,655.39

## Silkscreen, mask and mechanical layers (free items; w line width, h text height)
Top Overlay:
  text "5V" at 770,1470.64 h60
  text "GND" at 860,1470.64 h60
  text "XN" at 1540,1465 h60
  text "XP" at 1660,1465 h60
  text "GND" at 1128.17,-17.17 h60
  text "RX" at 1266.23,-17.52 h60
  text "TX" at 1356.23,-17.52 h60